# Altium PCB Thunderscope_Rev4.1.PCBDOC (part 5 of 7) (continued)
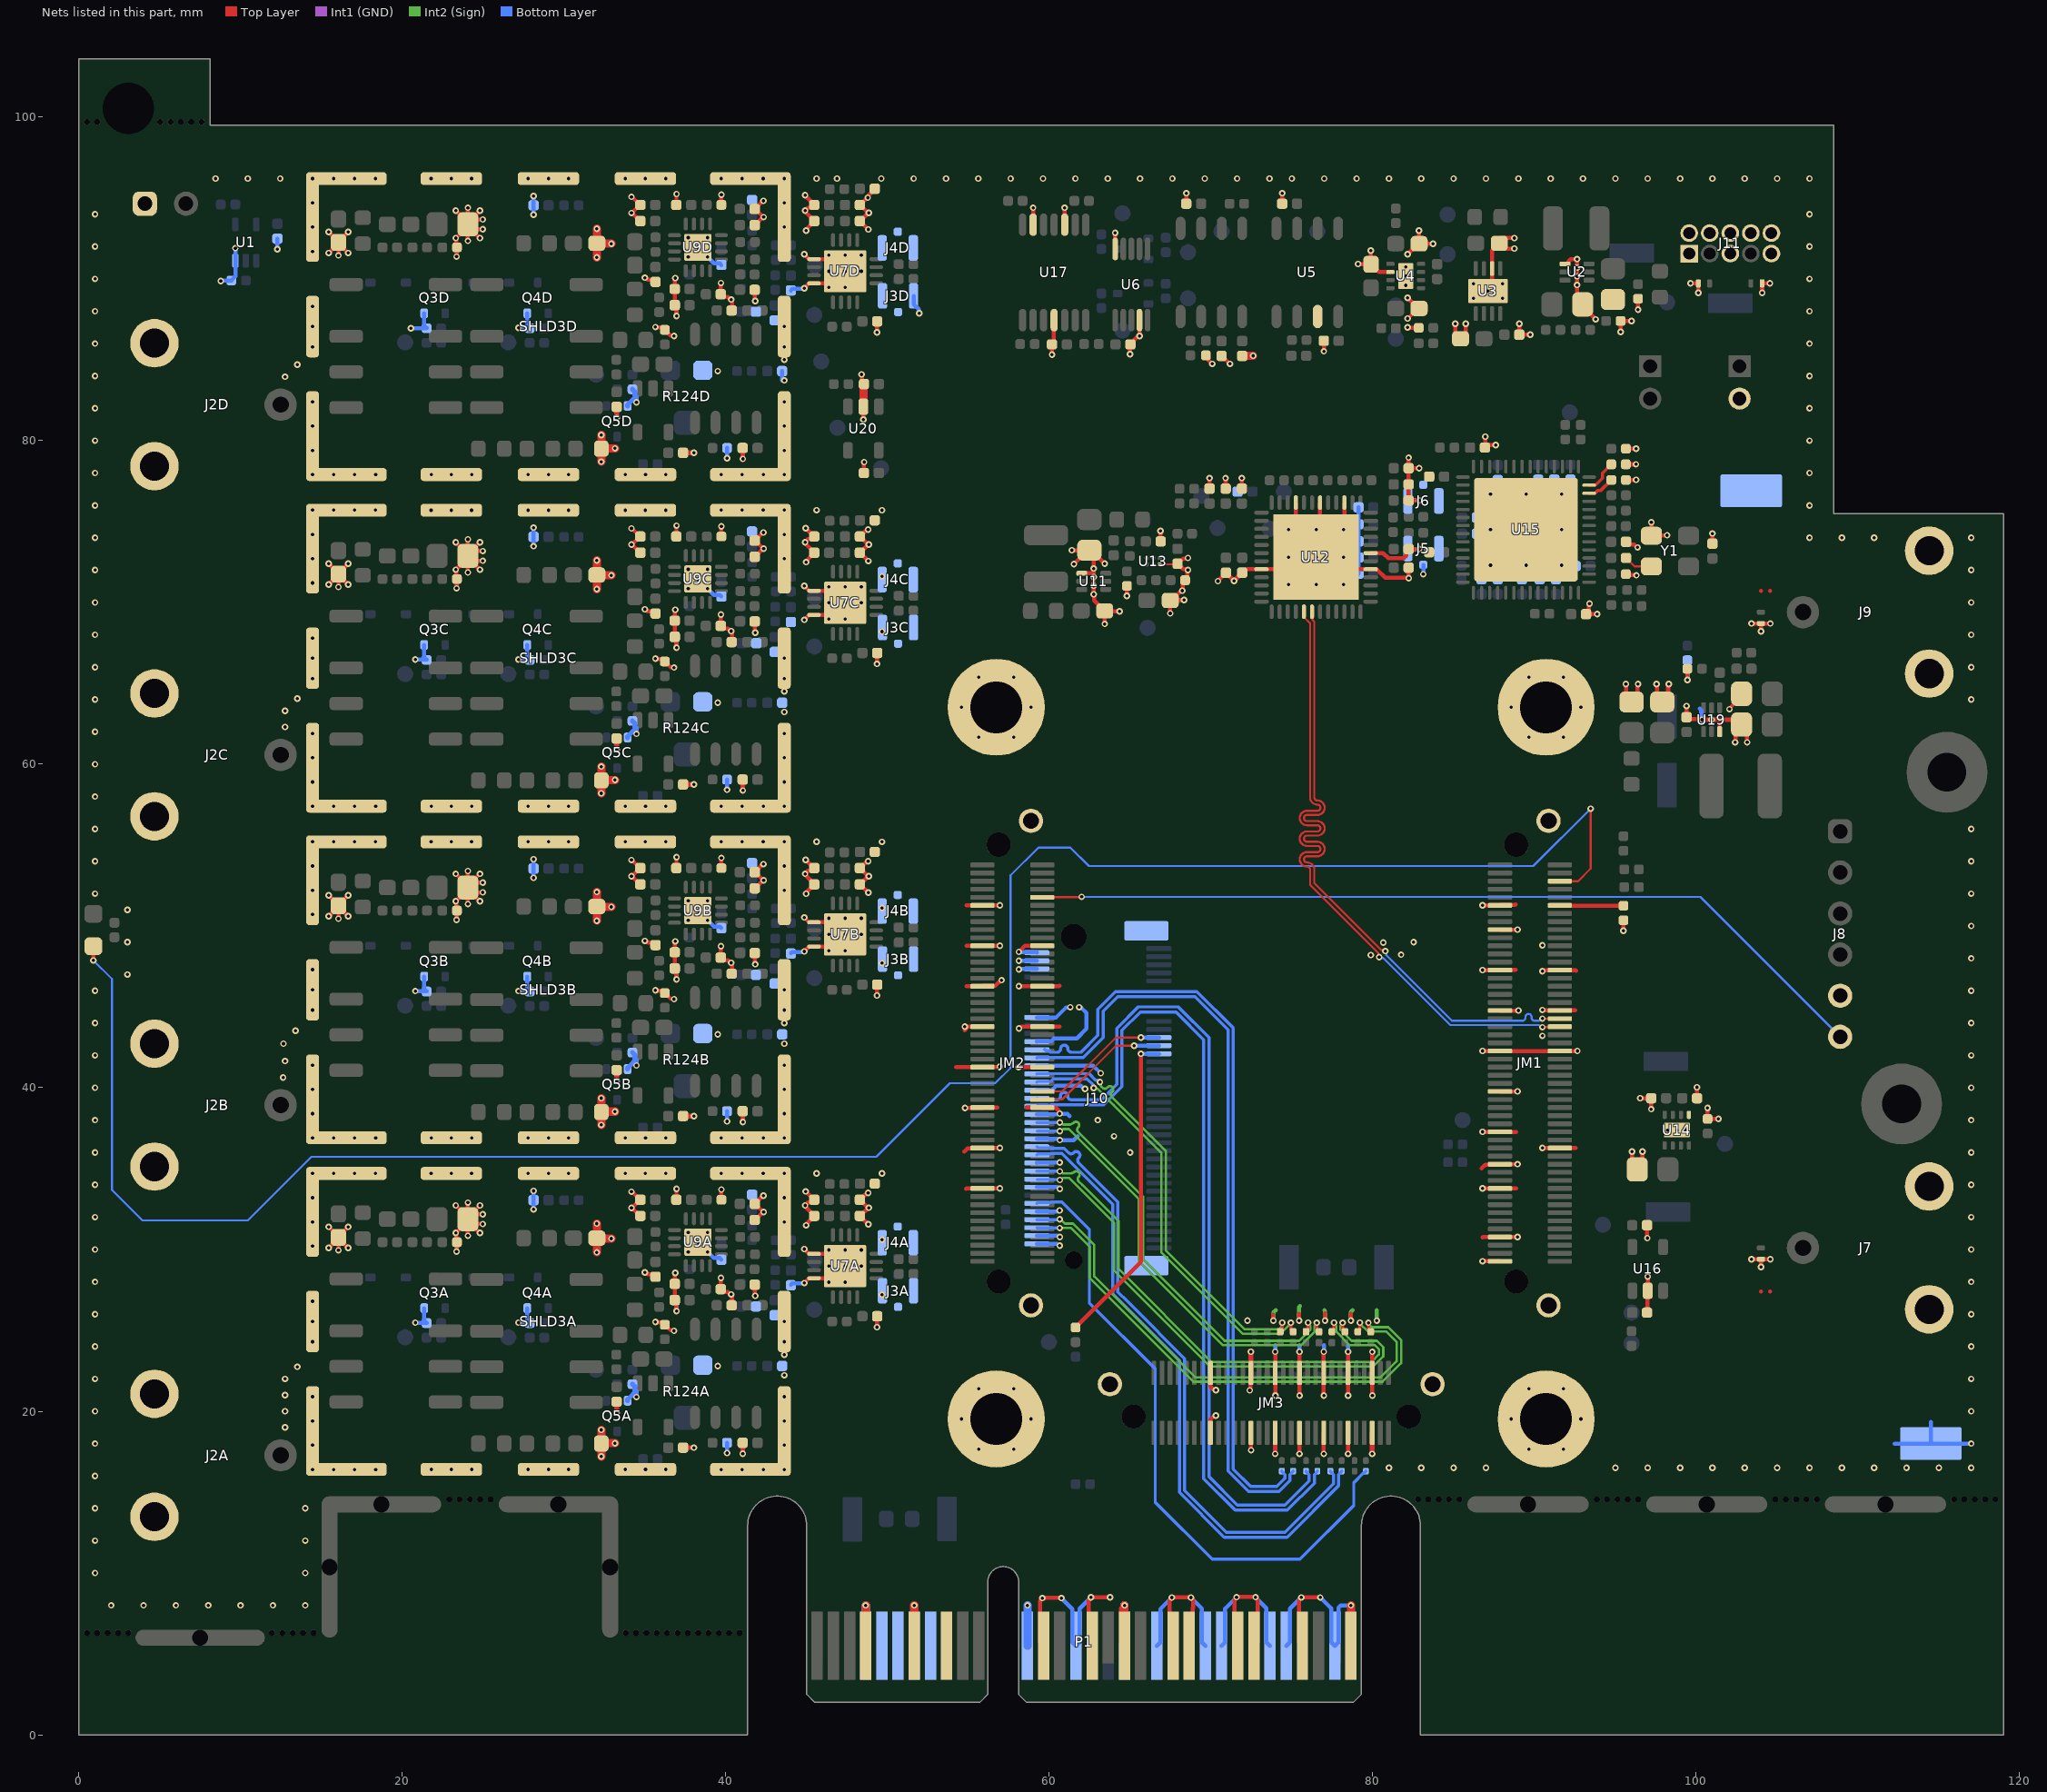
[diagram p9: the nets of this part, all layers, seen from the top]
## Nets (pads, with @x,y where several pads share a name; then routed paths per layer and width w, separated by ;. In a path a pad name is that pad's centre, name@x,y a point inside that pad or via, vN(x,y) a via of type N, cw(c..) or ccw(c..) an arc to the next point about the centre after c; other vN are vias at no path point) (continued)
  Top Layer w0.3: v1@33.255,19.92 C128A.1@33.255,20.545 ; v1@33.255,40.42 C128B.1@33.255,41.045 ; v1@33.255,60.92 C128C.1@33.255,61.545 ; v1@33.255,81.42 C128D.1@33.255,82.045 ; C101A.1@37.365,17.705 37.41,17.75 v1(38.025,17.75) ; C101B.1@37.365,38.205 37.41,38.25 v1(38.025,38.25) ; C101C.1@37.365,58.705 37.41,58.75 v1(38.025,58.75) ; C101D.1@37.365,79.205 37.41,79.25 v1(38.025,79.25) ; C124A.2@41.023,18.028 41.044,18.006 41.044,17.377 v1(41.048,17.373) ; C124B.2@41.023,38.527 41.045,38.505 41.045,37.88 v1(41.05,37.875) ; C124C.2@41.023,59.028 41.045,59.005 41.045,58.38 v1(41.05,58.375) ; C124D.2@41.023,79.528 41.045,79.505 41.045,78.88 v1(41.05,78.875) ; JM3.36@72.468,22.372 v1(72.468,23.678) ; v1(73.968,17.366) JM3.29@73.968,18.672 ; v1(79.968,17.366) JM3.5@79.968,18.672
  Top Layer w0.508: v1(32.025,29.825) C20A.2@32.025,30.675 ; v1(32.025,31.6) C20A.2@32.025,30.7 32.05,30.675 v1(32.925,30.675) ; v1(32.025,50.325) C20B.2@32.025,51.175 ; v1(32.025,52.1) C20B.2@32.025,51.2 32.05,51.175 v1(32.925,51.175) ; v1(32.025,70.825) C20C.2@32.025,71.675 ; v1(32.025,72.6) C20C.2@32.025,71.7 32.05,71.675 v1(32.925,71.675) ; v1(32.025,91.325) C20D.2@32.025,92.175 ; v1(32.025,93.1) C20D.2@32.025,92.2 32.05,92.175 v1(32.925,92.175) ; v1(32.3,17.2) R41A.1@32.3,18 ; v1(32.3,18.85) R41A.1@32.3,18 ; v1(32.3,37.7) R41B.1@32.3,38.5 ; v1(32.3,39.35) R41B.1@32.3,38.5 ; v1(32.3,58.2) R41C.1@32.3,59 ; v1(32.3,59.85) R41C.1@32.3,59 ; v1(32.3,78.7) R41D.1@32.3,79.5 ; v1(32.3,80.35) R41D.1@32.3,79.5 ; v1(33.15,18.025) 32.325,18.025 R41A.1@32.3,18 ; v1(33.15,38.525) 32.325,38.525 R41B.1@32.3,38.5 ; v1(33.15,59.025) 32.325,59.025 R41C.1@32.3,59 ; v1(33.15,79.525) 32.325,79.525 R41D.1@32.3,79.5 ; U20.2@48.5,82.1 48.52,82.12 48.52,83.48 C125.1@48.54,83.5 ; P1.B4@48.65,5.5 v1(48.65,8) ; P1.B7@51.65,5.5 v1(51.65,8) ; P1.B18@64.65,5.5 v1(64.65,8) ; C18.1@71.925,85.24 71.935,85.25 v1(72.6,85.25) ; P1.B32@78.65,5.5 v1(78.65,8)
  Int1 (GND) w0.254: v1(44.933,33.592) v1@44.95,33.575 ; v1(44.933,54.092) v1@44.95,54.075 ; v1(44.933,74.592) v1@44.95,74.575 ; v1@48.775,31.6 48.816,31.559 v1(48.818,31.559) ; v1@48.775,52.1 48.816,52.059 v1(48.818,52.059) ; v1@48.775,72.6 48.816,72.559 v1(48.818,72.559)
  Int2 (Sign) w0.254: v1(73.85,25.6) 73.879,25.629 73.879,26.129 74,26.25 ; v1(75.45,25.6) 75.45,26.45 75.5,26.5 ; 77,26.25 77.05,26.2 v1(77.05,25.6) ; v1@78.645,25.605 78.645,26.145 78.75,26.25 ; v1(80.25,25.6) 80.25,26.25
  Bottom Layer w0.25: C31A.2@44.025,27.815 44.105,27.895 44.82,27.895 v1(44.85,27.925) ; C31B.2@44.025,48.315 44.105,48.395 44.82,48.395 v1(44.85,48.425) ; C31D.2@44.025,89.29 44.13,89.395 44.82,89.395 v1(44.85,89.425)
  Bottom Layer w0.254: v1(8.775,89.875) 8.788,89.888 9.412,89.888 R2.1@9.425,89.9 9.425,89.912 9.675,90.162 U1.3@9.675,91.125 v1(9.675,91.9) ; v1(12.275,91.84) C1.2@12.275,92.49 ; v1(20.525,86.95) 21.475,86.95 21.5,86.975 21.35,87.125 Q3D.3@21.35,87.875 ; v1(20.8,25.475) 21.5,25.475 21.35,25.625 Q3A.3@21.35,26.375 ; v1(20.8,45.975) 21.5,45.975 21.35,46.125 Q3B.3@21.35,46.875 ; v1(20.8,66.475) 21.5,66.475 21.35,66.625 Q3C.3@21.35,67.375 ; v1(27.175,25.475) 27.875,25.475 27.725,25.625 Q4A.3@27.725,26.375 ; v1(27.175,45.975) 27.875,45.975 27.725,46.125 Q4B.3@27.725,46.875 ; v1(27.175,66.475) 27.875,66.475 27.725,66.625 Q4C.3@27.725,67.375 ; v1(27.175,86.975) 27.875,86.975 27.725,87.125 Q4D.3@27.725,87.875 ; v1(28.115,32.475) C133A.2@28.115,33.038 ; C133A.2@28.115,33.05 v1(28.115,33.625) ; v1(28.115,52.975) C133B.2@28.115,53.538 ; C133B.2@28.115,53.55 v1(28.115,54.125) ; v1(28.115,73.475) C133C.2@28.115,74.038 ; C133C.2@28.115,74.05 v1(28.115,74.625) ; v1(28.115,93.975) C133D.2@28.115,94.538 ; C133D.2@28.115,94.55 v1(28.115,95.125) ; C102A.1@36.84,26.875 36.921,26.794 36.921,26.229 v1(36.95,26.2) ; C102B.1@36.84,47.375 36.921,47.294 36.921,46.729 v1(36.95,46.7) ; C102C.1@36.84,67.875 36.921,67.794 36.921,67.229 v1(36.95,67.2) ; C102D.1@36.84,88.375 36.921,88.294 36.921,87.729 v1(36.95,87.7) ; v1(38.875,29.85) 39.256,29.469 39.621,29.469 C110A.2@39.725,29.365 ; v1(38.875,50.35) 39.256,49.969 39.621,49.969 C110B.2@39.725,49.865 ; v1(38.875,70.85) 39.256,70.469 39.621,70.469 C110C.2@39.725,70.365 ; v1(38.875,91.35) 39.256,90.969 39.621,90.969 C110D.2@39.725,90.865 ; v1(40.075,17.42) R123A.1@40.075,18.05 ; v1(40.075,37.92) R123B.1@40.075,38.55 ; v1(40.075,58.42) R123C.1@40.075,59.05 ; v1(40.075,78.92) R123D.1@40.075,79.55 ; v1@43.485,83.725 C111D.1@43.485,84.3 ; J3D.2@51.61,88.95 51.61,88.44 51.925,88.125 51.925,87.953 51.96,87.918 v1(51.96,87.876) ; v1(58.12,47.317) 58.137,47.333 59.208,47.333 J10.70@59.225,47.35 ; v1(58.12,47.85) J10.72@59.225,47.85 ; v1(58.12,48.4) 58.145,48.375 59.2,48.375 J10.74@59.225,48.35 ; J10.2@59.225,30.35 60.498,30.35 60.606,30.242 v1(60.647,30.242) ; J10.4@59.225,30.85 60.534,30.85 60.609,30.775 v1(60.65,30.775) ; J10.10@59.225,32.35 60.54,32.35 60.603,32.412 v1(60.644,32.412) ; J10.16@59.225,33.85 60.508,33.85 60.612,33.746 v1(60.653,33.746) ; J10.22@59.225,35.35 59.242,35.367 60.63,35.367 v1(60.647,35.383) ; J10.28@59.225,36.85 60.525,36.85 60.612,36.763 v1(60.653,36.763) 61.513,36.763 61.75,37 ; J10.34@59.225,38.35 60.556,38.35 60.606,38.4 v1(60.647,38.4) 60.676,38.371 61.129,38.371 61.25,38.25 ; J10.40@59.225,39.85 60.164,39.85 60.426,40.113 61.97,40.113 62.072,40.01 62.098,40.01 62.175,39.934 v1(62.216,39.934) ; J10.46@59.225,41.35 62.725,41.35 v1(63.178,40.897) ; J10.52@59.225,42.85 59.244,42.869 60.119,42.869 60.3,43.05 61.7,43.05 62.307,43.657 62.307,44.614 61.976,44.946 61.879,44.946 v1(61.85,44.975) ; J10.58@59.225,44.35 60.425,44.35 61.021,44.946 61.271,44.946 v1(61.3,44.975) ; v1(60.75,8.45) 61.427,7.773 61.427,5.723 P1.A15@61.65,5.5 61.873,5.723 61.873,7.792 v1(62.575,8.494) ; P1.A20@66.65,5.5 66.873,5.723 66.873,7.782 v1(67.575,8.484) ; v1(68.75,8.484) 69.427,7.807 69.427,5.723 P1.A23@69.65,5.5 ; P1.A24@70.65,5.5 70.873,5.723 70.873,7.804 v1(71.575,8.506) ; v1(71.425,71.325) 71.425,71.338 71.925,71.838 R46.2@71.925,71.85 ; v1(72.75,8.506) 73.427,7.829 73.427,5.723 P1.A27@73.65,5.5 ; v1(73.968,23.678) 73.975,23.685 73.975,24.075 ; P1.A28@74.65,5.5 74.873,5.723 74.873,7.789 v1(75.575,8.492) ; v1(75.468,23.678) 75.475,23.685 75.475,24.075 ; v1(76.75,8.492) 77.427,7.815 77.427,5.723 P1.A31@77.65,5.5 77.873,5.723 77.873,7.851 78.022,8 v1(78.65,8) ; v1(76.968,23.678) 76.975,23.685 76.975,24.1 ; v1(78.2,71.1) 78.229,71.129 78.469,71.129 C49.1@79.115,71.775 C55.1@79.115,72.775 ; v1(78.2,72.8) 78.213,72.787 79.103,72.787 C55.1@79.115,72.775 ; v1(78.2,74.5) 78.241,74.5 78.414,74.673 78.963,74.673 C57.1@79.115,74.825 ; v1(78.468,23.678) 78.475,23.685 78.475,24.025 ; C58.1@79.115,75.875 C57.1@79.115,74.825 ; J5.2@82.165,73.325 82.19,73.3 v1(82.875,73.3) ; J6.2@82.165,76.275 82.19,76.3 v1(82.867,76.3) ; v1@82.867,78.259 v1(82.867,78.3) ; v1(83.125,71.745) J5.2@83.125,72.325 ; v1(99.45,65.21) 99.45,66 ; 100.2,63.45 100.311,63.339 100.311,62.789 v1(100.35,62.75) ; 112.27,18 TP5.1@114.5,18 ; 114.5,19.345 114.5,18.025 114.512,18.012 TP5.1@114.5,18 ; v1@116.975,18 TP5.1@114.5,18 ; C55.1@79.115,72.775 C54.1@79.115,73.775 C57.1@79.115,74.825
  Bottom Layer w0.3: Q5A.3@33.925,20.65 33.925,20.715 34.29,21.08 ; Q5B.3@33.925,41.15 33.925,41.215 34.29,41.58 ; Q5C.3@33.925,61.65 33.925,61.715 34.29,62.08 ; Q5D.3@33.925,82.15 33.925,82.215 34.29,82.58 ; R127A.1@34.225,21.675 34.375,21.525 34.375,21.303 34.455,21.223 34.455,20.895 v1(34.475,20.875) ; R127B.1@34.225,42.175 34.375,42.025 34.375,41.803 34.455,41.723 34.455,41.395 v1(34.475,41.375) ; R127C.1@34.225,62.675 34.375,62.525 34.375,62.303 34.455,62.223 34.455,61.895 v1(34.475,61.875) ; R127D.1@34.225,83.175 34.375,83.025 34.375,82.803 34.455,82.723 34.455,82.395 v1(34.475,82.375)
  Bottom Layer w0.508: P1.A4@48.65,5.5 v1(48.65,8) ; P1.A12@58.65,5.5 v1(58.65,8) ; P1.A18@64.65,5.5 v1(64.65,8)
  other v1: 2,8 4,8 6,8 8,8 10,8 12,8 14,8 1,10 14,10 1,12 14,12 1,14 14,14 1,16 14.45,16.4 15.75,16.4 17.05,16.4 18.35,16.4 21.783,16.405 23.033,16.405 24.283,16.405 27.783,16.405 29.033,16.405 30.283,16.405 33.783,16.405 35.033,16.405 36.283,16.405 39.715,16.4 41.015,16.4 42.315,16.4 43.615,16.4 81,16.5 83,16.5 85,16.5 87,16.5 95,16.5 97,16.5 99,16.5 101,16.5 103,16.5 105,16.5 107,16.5 109,16.5 111,16.5 113,16.5 115,16.5 117,16.5 55.642,17.659 57.792,17.659 89.642,17.659 91.792,17.659 14.45,17.9 43.615,17.9 1,18 117,18 12.75,19 14.45,19.4 43.615,19.4 54.567,19.521 58.867,19.521 88.567,19.521 92.867,19.521 33.26,19.915 1,20 12.75,20 117,20 14.45,20.9 43.615,20.9 73.975,20.975 75.475,20.975 76.975,20.975 78.475,20.975 79.975,20.975 12.75,21 55.642,21.383 57.792,21.383 89.642,21.383 91.792,21.383 1,22 12.75,22 117,22 43.61,22.225 13.5,22.75 39.5,22.8 43.61,23.5 1,24 117,24 14.45,24.3 43.61,24.3 36.8,24.975 14.45,25.55 43.61,25.55 72.25,25.6 1,26 117,26 14.45,26.8 49.66,27.2 46.375,27.975 47.375,27.975 1,28 117,28 46.375,28.975 48.375,28.975 37.675,29.85 46.375,29.975 47.375,29.975 48.375,29.975 1,30 117,30 14.448,30.205 38.275,30.45 49.663,30.605 37.675,31.05 38.875,31.05 14.448,31.705 43.613,31.705 1,32 117,32 24.975,32.175 14.448,33.205 43.613,33.205 34.167,33.575 1,34 117,34 21.78,34.7 23.03,34.7 24.28,34.7 27.78,34.7 29.03,34.7 30.28,34.7 33.78,34.7 35.03,34.7 36.28,34.7 49.65,34.7 14.448,34.705 15.748,34.705 17.048,34.705 18.348,34.705 39.713,34.705 41.013,34.705 42.313,34.705 43.613,34.705 45.613,34.705 1,36 65,36 117,36 14.45,36.9 15.75,36.9 17.05,36.9 18.35,36.9 21.783,36.905 23.033,36.905 24.283,36.905 27.783,36.905 29.033,36.905 30.283,36.905 33.783,36.905 35.033,36.905 36.283,36.905 39.715,36.9 41.015,36.9 42.315,36.9 43.615,36.9 64,37 98.225,37.375 98.8,37.375 99.375,37.375 1,38 63,38 117,38 14.45,38.4 43.615,38.4 14.45,39.9 43.615,39.9 1,40 117,40 33.26,40.415 12.625,40.625 14.45,41.4 43.615,41.4 12.75,41.65 1,42 117,42 12.65,42.725 43.61,42.725 90.487,43.208 39.5,43.3 13.4,43.525 1,44 43.61,44 117,44 14.45,44.8 43.61,44.8 36.8,45.475 1,46 117,46 14.45,46.05 43.61,46.05 58.12,46.275 3,47 14.45,47.3 49.66,47.7 117,48 79.873,48.198 81.75,48.225 46.375,48.475 47.375,48.475 90.487,48.806 80.65,48.975 3,49 82.527,49.002 46.375,49.475 48.375,49.475 117,50 37.675,50.35 46.375,50.475 47.375,50.475 48.375,50.475 14.448,50.705 38.275,50.95 3,51 49.663,51.105 37.675,51.55 38.875,51.55 1,52 117,52 14.448,52.205 43.613,52.205 24.975,52.675 14.448,53.705 43.613,53.705 1,54 117,54 34.167,54.075 21.78,55.2 23.03,55.2 24.28,55.2 27.78,55.2 29.03,55.2 30.28,55.2 33.78,55.2 35.03,55.2 36.28,55.2 49.65,55.2 14.448,55.205 15.748,55.205 17.048,55.205 18.348,55.205 39.713,55.205 41.013,55.205 42.313,55.205 43.613,55.205 45.613,55.205 1,56 117,56 14.45,57.4 15.75,57.4 17.05,57.4 18.35,57.4 21.783,57.405 23.033,57.405 24.283,57.405 27.783,57.405 29.033,57.405 30.283,57.405 33.783,57.405 35.033,57.405 36.283,57.405 39.715,57.4 41.015,57.4 42.315,57.4 43.615,57.4 1,58 14.45,58.9 43.615,58.9 1,60 14.45,60.4 43.615,60.4 33.26,60.915 55.642,61.659 57.792,61.659 89.642,61.659 91.792,61.659 14.45,61.9 43.615,61.9 1,62 12.75,62.3 43.61,63.225 12.75,63.3 54.567,63.521 58.867,63.521 88.567,63.521 92.867,63.521 39.5,63.8 1,64 117,64 13.5,64.05 43.61,64.5 95.65,64.95 96.4,64.95 97.55,64.95 98.3,64.95 14.45,65.3 43.61,65.3 55.642,65.383 57.792,65.383 89.642,65.383 91.792,65.383 36.8,65.975 1,66 117,66 14.45,66.55 43.61,66.55 14.45,67.8 1,68 117,68 49.66,68.2 46.375,68.975 47.375,68.975 46.375,69.975 48.375,69.975 1,70 117,70 37.675,70.85 46.375,70.975 47.375,70.975 48.375,70.975 74.8,71.1 76.5,71.1 14.448,71.205 38.275,71.45 49.663,71.605 1,72 117,72 37.675,72.05 38.875,72.05 87.282,72.3 89.482,72.3 91.682,72.3 14.448,72.705 43.613,72.705 74.8,72.8 76.5,72.8 24.975,73.175 1,74 107,74 109,74 111,74 117,74 14.448,74.205 43.613,74.205 74.8,74.5 76.5,74.5 87.282,74.5 89.482,74.5 91.682,74.5 34.167,74.575 14.448,75.705 15.748,75.705 17.048,75.705 18.348,75.705 21.78,75.7 23.03,75.7 24.28,75.7 27.78,75.7 29.03,75.7 30.28,75.7 33.78,75.7 35.03,75.7 36.28,75.7 39.713,75.705 41.013,75.705 42.313,75.705 43.613,75.705 45.613,75.705 49.65,75.7 1,76 107,76 87.282,76.7 89.482,76.7 91.682,76.7 14.45,77.9 15.75,77.9 17.05,77.9 18.35,77.9 21.783,77.905 23.033,77.905 24.283,77.905 27.783,77.905 29.033,77.905 30.283,77.905 33.783,77.905 35.033,77.905 36.283,77.905 39.715,77.9 41.015,77.9 42.315,77.9 43.615,77.9 1,78 107,78 14.45,79.4 43.615,79.4 1,80 107,80 14.45,80.9 43.615,80.9 33.26,81.415 1,82 107,82 14.45,82.4 43.615,82.4 43.61,83.725 12.75,83.95 1,84 107,84 39.5,84.3 13.5,84.7 43.61,85 60.171,85.321 14.45,85.8 43.61,85.8 1,86 107,86 36.8,86.475 14.45,87.05 43.61,87.05 1,88 107,88 14.45,88.3 86.225,88.8 88.025,88.8 46.375,89.475 47.375,89.475 82.05,89.6 86.225,89.7 88.025,89.7 1,90 107,90 82.05,90.175 46.375,90.475 47.375,90.475 48.375,90.475 82.05,90.75 37.675,91.35 46.375,91.475 47.375,91.475 48.375,91.475 14.448,91.705 38.275,91.95 1,92 107,92 37.675,92.55 38.875,92.55 14.448,93.205 43.613,93.205 24.975,93.675 1,94 107,94 14.448,94.705 43.613,94.705 34.167,95.075 8.448,96.205 10.448,96.205 12.448,96.205 14.448,96.205 15.748,96.205 17.048,96.205 18.348,96.205 21.78,96.2 23.03,96.2 24.28,96.2 27.78,96.2 29.03,96.2 30.28,96.2 33.78,96.2 35.03,96.2 36.28,96.2 39.713,96.205 41.013,96.205 42.313,96.205 43.613,96.205 45.613,96.205 46.875,96.205 49.613,96.205 51.613,96.205 53.613,96.205 55.613,96.205 57.613,96.205 59.613,96.205 61.613,96.205 63.613,96.205 65.613,96.205 67.613,96.205 69.613,96.205 71.613,96.205 73.613,96.205 75,96.2 77,96.2 79,96.2 81,96.2 83,96.2 85,96.2 87,96.2 89,96.2 91,96.2 93,96.2 95,96.2 97,96.2 99,96.2 101,96.2 103,96.2 105,96.2 107,96.2
IF0: R27.2 U15.27 | length 2.1
  Top Layer w0.2: U15.27@93.375,77.25 93.779,77.25 94.2,77.671 94.2,77.991 R27.2@94.745,78.536
IF1: R26.2 U15.26 | length 1.7
  Top Layer w0.2: U15.26@93.375,76.75 93.742,76.75 93.922,76.93 94.105,76.93 R26.2@94.75,77.575
INTREF: C98.2 Y1.3 | length 1.8
  Top Layer w0.127: C98.2@95.66,72.75 96.185,72.225 Y1.3@97.225,72.225
JTAG1: P1.B9
JTAG2: P1.A5
JTAG3: P1.A6
JTAG4: P1.A7
JTAG5: P1.A8
JTAG_VREF: J8.6 JM2.92 | length 52.9
  Top Layer w0.127: JM2.92@59.567,51.771 59.582,51.785 61.985,51.785 v1(62,51.8)
  Bottom Layer w0.127: v1(62,51.8) 100.25,51.8 J8.6@108.9,43.15
JTAGEN: JM1.90 R103.2 | length 3.9
  Top Layer w0.254: JM1.90@91.567,51.271 91.577,51.26 95.49,51.26 R103.2@95.5,51.25
LCLK_N: JM1.62 U12.18 | length 42
  Top Layer w0.127: U12.18@76.243,69.425 76.264,69.404 76.264,68.929 76.382,68.81 76.382,58.141 76.382,57.949 ccw(c76.573,57.949) 76.573,57.758 76.575,57.758 cw(c76.575,57.311) 76.575,56.863 75.933,56.863 ccw(c75.933,56.672) 75.933,56.482 76.575,56.482 cw(c76.575,56.034) 76.575,55.587 75.933,55.587 ccw(c75.933,55.396) 75.933,55.206 76.575,55.206 cw(c76.575,54.758) 76.575,54.31 75.933,54.31 ccw(c75.933,54.12) 75.933,53.929 75.934,53.929 cw(c75.934,53.481) 76.382,53.481 76.382,52.925 76.382,52.647 80.526,48.503 80.722,48.503 v1(80.775,48.45) ; v1(90.487,44.275) 90.491,44.271 JM1.62@91.567,44.271
  Bottom Layer w0.127: v1(80.775,48.45) 80.828,48.397 80.828,48.201 84.893,44.137 89.182,44.137 89.246,44.137 ccw(c89.246,44.327) 89.436,44.327 89.436,44.369 cw(c89.627,44.369) 89.817,44.369 89.817,44.327 ccw(c90.008,44.327) 90.008,44.137 90.273,44.137 90.411,44.275 90.475,44.275 v1(90.487,44.275)
LCLK_P: JM1.60 U12.17 | length 42
  Top Layer w0.127: U12.17@75.743,69.425 75.743,69.082 76,68.825 76.125,68.7 76.125,58.141 76.125,57.949 ccw(c76.573,57.949) 76.573,57.501 76.575,57.501 cw(c76.575,57.311) 76.575,57.12 75.933,57.12 ccw(c75.933,56.672) 75.933,56.225 76.575,56.225 cw(c76.575,56.034) 76.575,55.844 75.933,55.844 ccw(c75.933,55.396) 75.933,54.948 76.575,54.948 cw(c76.575,54.758) 76.575,54.567 75.933,54.567 ccw(c75.933,54.12) 75.933,53.672 75.934,53.672 cw(c75.934,53.481) 76.125,53.481 76.125,52.925 76.125,52.541 76.508,52.158 80.344,48.322 80.344,48.126 v1(80.398,48.073) ; v1@90.487,43.752 90.979,43.752 90.99,43.742 JM1.60@91.567,43.742
  Bottom Layer w0.127: v1(80.398,48.073) 80.451,48.019 80.647,48.019 82.013,46.653 84.636,44.03 84.786,43.88 90.273,43.88 90.411,43.742 v1(90.487,43.742)
LED: D1.1 JM1.96 | length 131.9
  Top Layer w0.127: JM1.96@91.567,52.771 92.696,52.771 93.475,53.55 v1(93.475,57.25)
  Top Layer w0.254: v1(0.9,47.87) D1.1@0.9,48.5
  Bottom Layer w0.127: v1(0.9,47.87) 2.05,46.72 2.05,33.675 3.925,31.8 10.45,31.8 14.375,35.725 49.3,35.725 53.85,40.275 56.65,40.275 57.6,41.225 57.6,53.125 59.325,54.85 61.3,54.85 62.45,53.7 89.925,53.7 v1(93.475,57.25)
M2_GPIO1: J10.51 JM2.42 | length 8.6
  Top Layer w0.127: JM2.42@59.567,39.271 60.796,39.271 64.125,42.6 v1(65.25,42.6)
  Bottom Layer w0.254: v1(65.25,42.6) J10.51@66.775,42.6
M2_GPIO2: J10.53 JM2.44 | length 8.6
  Top Layer w0.127: JM2.44@59.567,39.771 60.796,39.771 64.125,43.1 v1(65.67,43.1)
  Bottom Layer w0.254: v1(65.67,43.1) J10.53@66.775,43.1
M2_PER0_N: C76.1 J10.42 | length 26.9
  Top Layer w0.191: v1(74.93,25.473) 74.93,25.361 74.942,25.35 74.942,25.048 C76.1@75.075,24.915
  Int2 (Sign) w0.148: v1(62.748,39.979) 62.798,39.929 62.973,39.929 63.964,38.938 63.967,38.938 66.925,35.98 66.925,29.825 71.956,24.794 74.299,24.794 74.93,25.425 v1(74.93,25.473)
  Bottom Layer w0.191: J10.42@59.225,40.35 59.265,40.39 60.09,40.39 60.253,40.553 62.334,40.553 62.707,40.18 62.707,40.02 v1(62.748,39.979)
M2_PER0_P: C77.1 J10.44 | length 26.9
  Top Layer w0.191: C77.1@74.275,24.915 74.408,25.048 74.408,25.462 74.42,25.473 v1(74.397,25.475) v1(74.397,25.475)
  Int2 (Sign) w0.148: v1(63.131,40.351) 63.18,40.301 63.18,40.11 63.239,40.052 63.291,39.999 ccw(c63.433,40.141) 63.575,39.999 63.614,40.038 cw(c63.757,39.896) 63.899,40.038 cw(c63.757,39.896) 63.899,39.754 63.86,39.715 ccw(c64.002,39.573) 63.86,39.431 64.078,39.213 64.081,39.213 64.26,39.034 64.312,38.981 67.2,36.094 67.2,29.939 72.07,25.069 74.186,25.069 74.348,25.231 74.348,25.425 v1(74.397,25.475)
  Bottom Layer w0.191: J10.44@59.225,40.85 59.246,40.871 62.466,40.871 62.869,40.468 62.955,40.468 63.072,40.351 v1(63.131,40.351)
M2_PER1_N: C72.1 J10.30 | length 26.6
  Top Layer w0.191: v1(76.53,25.473) 76.53,25.361 76.542,25.35 76.542,25.048 C72.1@76.675,24.915
  Int2 (Sign) w0.148: v1(60.65,37.317) 60.72,37.317 60.849,37.446 61.216,37.446 65.521,33.141 65.521,29.29 70.73,24.082 75.564,24.082 76.4,24.918 76.4,25.273 76.53,25.403 v1(76.53,25.473)
  Bottom Layer w0.191: J10.30@59.25,37.325 v1@60.647,37.325
M2_PER1_P: C73.1 J10.32 | length 26.7
  Top Layer w0.191: C73.1@75.875,24.915 76.008,25.048 76.008,25.462 76.02,25.473 v1(75.997,25.475) v1(75.997,25.475)
  Int2 (Sign) w0.148: v1(60.65,37.85) 60.72,37.85 60.849,37.721 61.134,37.721 61.238,37.721 ccw(c61.238,38.064) 61.481,37.821 61.497,37.837 cw(c61.639,37.695) 61.781,37.837 cw(c61.639,37.695) 61.781,37.553 ccw(c61.923,37.411) 61.781,37.269 62.138,36.912 65.796,33.255 65.796,29.404 70.843,24.357 75.45,24.357 76.125,25.032 76.125,25.277 75.997,25.405 v1(75.997,25.475)
  Bottom Layer w0.191: J10.32@59.225,37.85 v1@60.634,37.85
M2_PER2_N: C68.1 J10.18 | length 33
  Top Layer w0.191: v1(78.13,25.473) 78.13,25.361 78.142,25.35 78.142,25.048 C68.1@78.275,24.915
  Int2 (Sign) w0.148: v1(60.65,34.3) 60.72,34.3 60.849,34.429 61.216,34.429 64,31.645 64,28.7 69.927,22.773 80.028,22.773 80.648,23.394 80.648,23.956 80.248,24.357 78.692,24.357 78,25.048 78,25.273 78.13,25.403 v1(78.13,25.473)
  Bottom Layer w0.191: J10.18@59.25,34.325 v1@60.647,34.325
M2_PER2_P: C69.1 J10.20 | length 33.1
  Top Layer w0.191: C69.1@77.475,24.915 77.608,25.048 77.608,25.462 77.62,25.473 v1(77.597,25.475) v1(77.597,25.475)
  Int2 (Sign) w0.148: v1(60.65,34.833) 60.72,34.833 60.849,34.704 61.204,34.704 61.31,34.704 ccw(c61.31,35.047) 61.532,34.786 cw(c61.674,34.644) 61.816,34.786 cw(c61.674,34.644) 61.816,34.501 ccw(c61.959,34.359) 61.816,34.217 62.046,33.987 64.275,31.759 64.275,28.814 70.041,23.048 79.914,23.048 80.373,23.507 80.373,23.842 80.134,24.082 78.578,24.082 77.725,24.934 77.725,25.277 77.597,25.405 v1(77.597,25.475)
  Bottom Layer w0.191: J10.20@59.225,34.85 v1@60.634,34.85
M2_PER3_N: C16.1 J10.6 | length 32.6
  Top Layer w0.191: v1(79.73,25.473) 79.73,25.361 79.742,25.35 79.742,25.048 C16.1@79.875,24.915
  Int2 (Sign) w0.148: v1(60.647,31.325) 61.342,31.325 62.5,30.167 62.5,28.225 68.902,21.823 80.598,21.823 81.75,22.975 81.75,24.4 80.954,25.196 79.932,25.196 79.845,25.282 79.845,25.289 79.73,25.403 v1(79.73,25.473)
  Bottom Layer w0.191: J10.6@59.225,31.35 59.25,31.325 v1(60.647,31.325)
M2_PER3_P: C65.1 J10.8 | length 32.5
  Top Layer w0.191: C65.1@79.075,24.915 79.208,25.048 79.208,25.462 79.22,25.473 v1(79.197,25.475) v1(79.197,25.475)
  Int2 (Sign) w0.148: v1(60.647,31.862) 60.711,31.862 60.973,31.6 61.456,31.6 62.591,30.465 62.775,30.281 62.775,28.339 69.016,22.098 80.484,22.098 81.475,23.089 81.475,24.286 80.84,24.921 79.711,24.921 79.197,25.435 v1(79.197,25.475)
  Bottom Layer w0.191: J10.8@59.225,31.85 v1@60.634,31.85
M2_PERST#: J10.49 R85.2 | length 19.7
  Top Layer w0.254: R85.2@61.625,25.175 65.67,29.22 v1(65.67,42.1)
  Bottom Layer w0.254: v1(65.67,42.1) J10.49@66.775,42.1
M2_PET0_N: J10.48 R82.2 | length 47.8
  Bottom Layer w0.191: J10.48@59.225,41.85 59.248,41.873 62.098,41.873 63.325,43.1 63.325,44.725 64.225,45.625 69,45.625 71.05,43.575 71.05,16.3 72.318,15.032 74.193,15.032 74.884,15.723 74.884,16.084 75.075,16.275 R82.2@75.075,16.3
M2_PET0_P: J10.50 R83.2 | length 47.3
  Bottom Layer w0.191: J10.50@59.709,42.368 59.784,42.293 59.982,42.293 60.084,42.191 60.386,42.191 60.481,42.191 ccw(c60.481,42.413) 60.704,42.413 ; 60.704,42.413 cw(c60.926,42.413) 60.926,42.636 cw(c60.926,42.413) 61.148,42.413 ; 61.148,42.413 ccw(c61.371,42.413) 61.371,42.191 61.867,42.191 61.966,42.191 63.007,43.232 63.007,44.857 64.093,45.943 69.132,45.943 71.368,43.707 71.368,16.432 72.449,15.35 74.061,15.35 74.566,15.855 74.566,16.084 74.375,16.275 R83.2@74.375,16.3
M2_PET1_N: J10.36 R78.2 | length 51.8
  Bottom Layer w0.191: J10.36@59.225,38.85 59.282,38.907 60.069,38.907 60.103,38.941 61.777,38.941 63.366,38.941 64.493,40.068 64.493,43.543 65.632,44.682 67.843,44.682 69.55,42.975 69.55,15.826 71.493,13.882 74.707,13.882 76.384,15.559 76.384,16.084 76.575,16.275 R78.2@76.575,16.3
M2_PET1_P: J10.38 R79.2 | length 51.8
  Bottom Layer w0.191: J10.38@59.225,39.35 59.282,39.293 60.069,39.293 60.103,39.259 60.378,39.259 60.474,39.259 ccw(c60.474,39.481) 60.696,39.481 60.696,39.491 cw(c60.919,39.491) 60.919,39.713 cw(c60.919,39.491) 61.141,39.491 61.141,39.481 ccw(c61.363,39.481) 61.363,39.259 61.777,39.259 63.234,39.259 64.175,40.199 64.175,43.675 65.5,45 67.974,45 69.868,43.107 69.868,15.957 71.625,14.2 74.575,14.2 76.066,15.691 76.066,16.084 75.875,16.275 R79.2@75.875,16.3
M2_PET2_N: J10.24 R74.2 | length 38.9
  Bottom Layer w0.191: J10.24@59.225,35.85 59.282,35.907 60.069,35.907 60.103,35.941 60.784,35.941 63.925,32.8 63.925,27.25 64.925,26.25 68.05,23.125 68.05,15.238 68.05,14.975 70.818,12.207 74.698,12.207 77.884,15.393 77.884,16.084 78.075,16.275 R74.2@78.075,16.3
M2_PET2_P: J10.26 R75.2 | length 38.9
  Bottom Layer w0.191: J10.26@59.225,36.35 59.282,36.293 60.069,36.293 60.103,36.259 60.916,36.259 61.125,36.05 61.192,35.982 ccw(c61.349,36.14) 61.507,35.982 61.513,35.989 cw(c61.671,35.832) 61.828,35.989 cw(c61.671,35.832) 61.828,35.674 61.821,35.668 ccw(c61.978,35.51) 61.821,35.353 61.98,35.194 62.048,35.127 64.243,32.932 64.243,27.382 64.851,26.774 65.15,26.475 68.368,23.257 68.368,15.107 70.949,12.525 74.566,12.525 77.566,15.525 77.566,16.084 77.375,16.275 R75.2@77.375,16.3
M2_PET3_N: J10.12 R70.2 | length 40.1
  Bottom Layer w0.191: J10.12@59.225,32.85 59.282,32.907 60.069,32.907 60.103,32.941 60.784,32.941 62.475,31.25 62.475,26.701 66.55,22.626 66.55,14.375 70.068,10.857 75.507,10.857 78.824,14.174 78.824,15.588 79.431,16.195 79.495,16.195 79.575,16.275 R70.2@79.575,16.3